# Allegro board BeagleBone_Black_RevC.brd (continued)
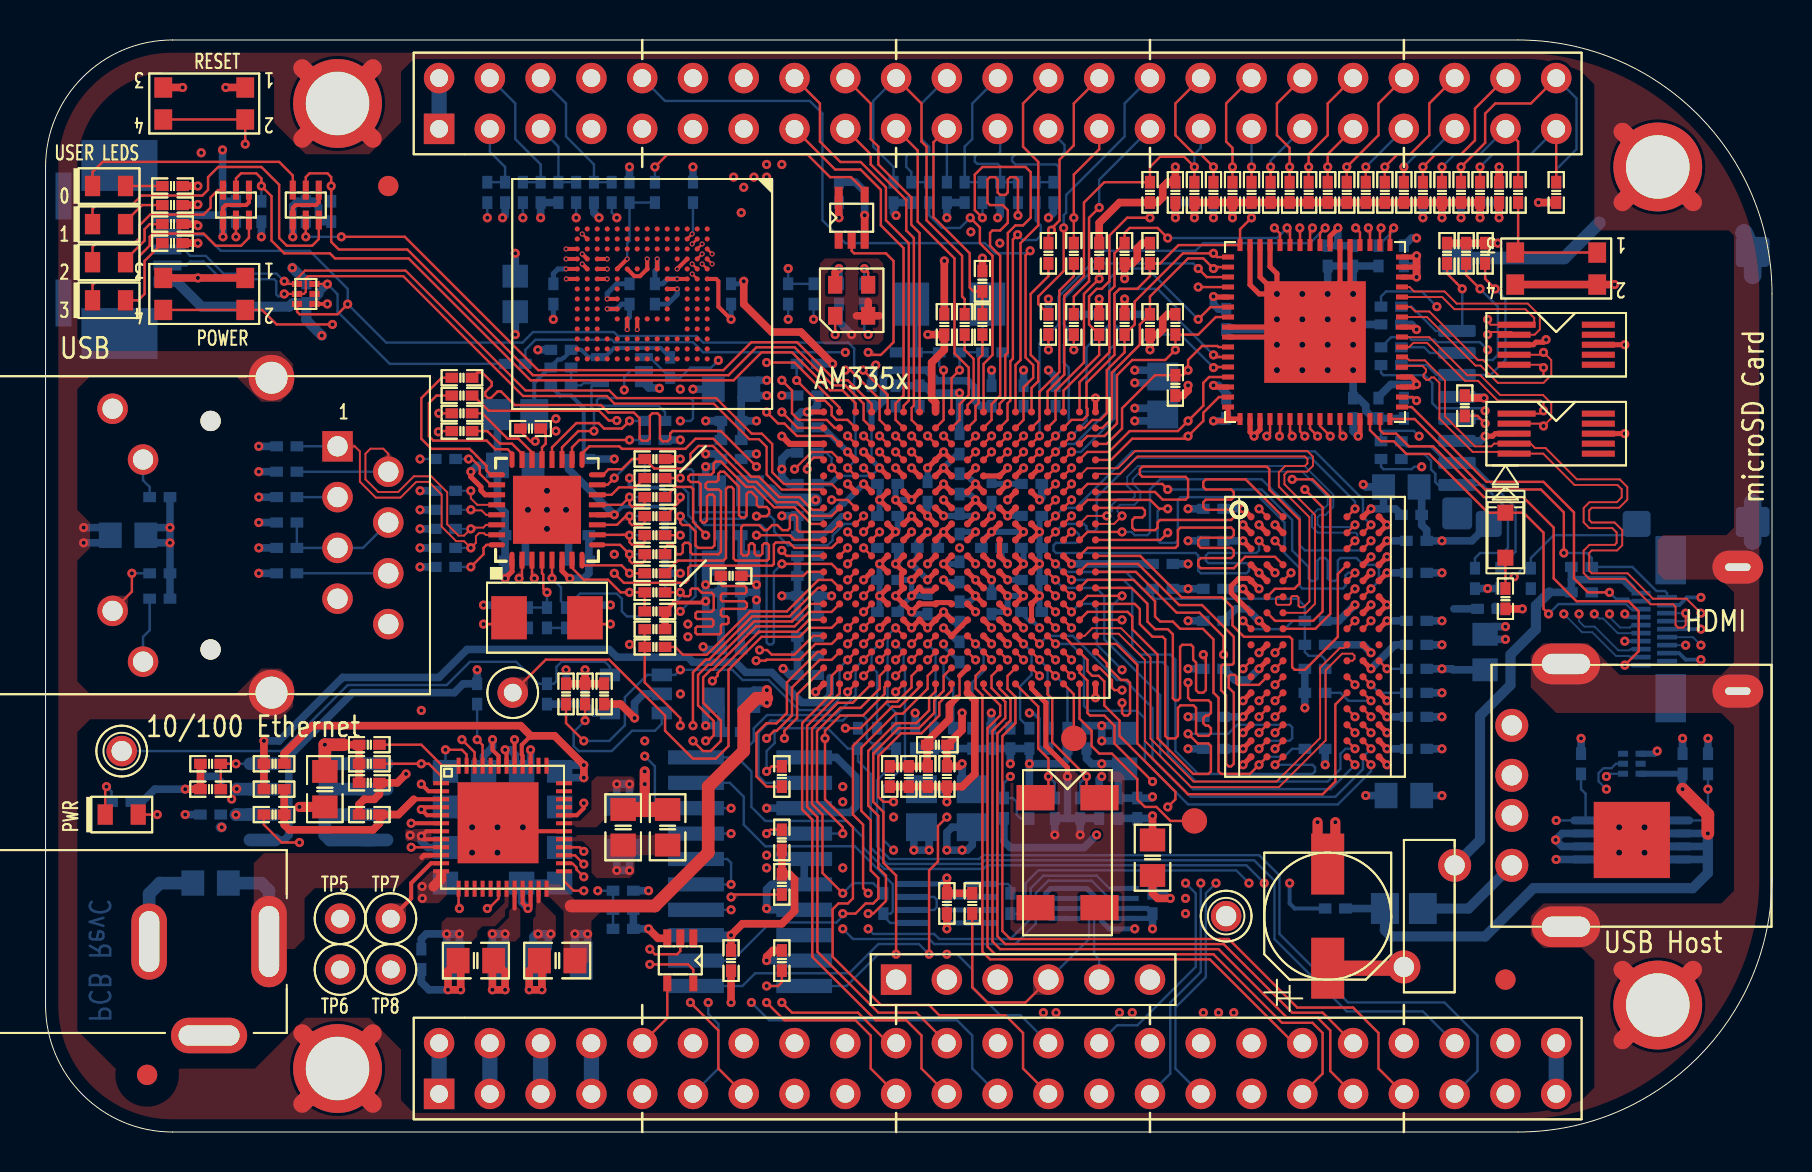
[diagram p0: board, top side]
## Routing (per net, layer and track width the routed paths; a pad name or vN(x,y) marks a point on that pad's centre or on a via; arc(x,y) is an arc through that point) (continued)
DDR_DQM1: length 20.2
  TOP w0.121: U12.D3 61.5,28.76 60.01,28.76 59.44,28.19 57.78,28.19 57.66,28.32 57.66,28.57 57.78,28.7 59.31,28.7 59.44,28.83 59.44,29.08 59.31,29.21 57.78,29.21 57.66,29.34 57.66,29.59 57.78,29.72 59.31,29.72 59.44,29.84 59.44,30.1 59.31,30.23 56.77,30.23 56.64,30.1 56.64,29.34 56.52,29.21 52.12,29.21 U5.J2
DDR_DQS0: length 23.3
  TOP w0.095: U12.F3 61.62,26.77 61.54,26.69 61.54,26.44 61.62,26.37 62.22,26.37 62.29,26.44 62.29,26.73 62.37,26.8 62.6,26.8 62.67,26.73 62.67,26.32 62.75,26.24 62.93,26.24 63.22,26.53 63.22,30.75 61.69,32.28 61.69,32.99 62.01,33.31 62.99,33.31 63.12,33.43 63.12,33.66 62.99,33.78 54.62,33.78 53.76,32.91 52.62,32.91 U5.P1
DDR_DQS1: length 20.3
  TOP w0.095: U5.L1 53.45,30.41 v1(53.85,30.81)
  TOP w0.121: v1(65.5,29.57) U12.C7
  BOTTOM w0.095: v1(65.5,29.57) 65.54,29.57 65.61,29.64 65.61,29.9 65.54,29.97 63.64,29.97 63.35,30.26 63.35,30.85 63.64,31.14 63.91,31.14 64.14,31.37 64.14,31.75 62.86,33.03 54.76,33.03 54.38,32.65 54.38,32.42 54.76,32.04 54.76,31.66 54.47,31.37 53.75,31.37 53.62,31.24 53.62,31.04 v1(53.85,30.81)
DDR_DQSN0: length 23.3
  TOP w0.095: U12.G3 63.05,25.97 63.5,26.42 63.5,30.86 61.97,32.39 61.97,32.87 62.12,33.03 63.11,33.03 63.4,33.32 63.4,33.77 63.11,34.06 54.51,34.06 53.64,33.19 52.1,33.19 U5.P2
DDR_DQSN1: length 20.3
  TOP w0.095: v1(53.09,30.81) 52.12,30.81 U5.L2
  TOP w0.121: v1(65.5,30.37) U12.B7
  BOTTOM w0.095: v1(53.09,30.81) 53.34,31.06 53.34,31.36 53.63,31.65 54.36,31.65 54.48,31.78 54.48,31.93 54.1,32.31 54.1,32.77 54.64,33.31 62.97,33.31 64.41,31.87 64.41,31.25 64.02,30.86 63.75,30.86 63.63,30.73 63.63,30.38 63.75,30.25 65.39,30.25 v1(65.5,30.37)
DDR_ODT: length 24.1
  TOP w0.121: v1(57.91,23.88) 58.04,23.75 58.04,22.1 57.91,21.97 57.68,21.97 57.55,22.1 57.55,23.48 57.4,23.62 57.4,24.26 57.3,24.37 56.86,24.37 56.75,24.26 56.75,21.7 56.64,21.59 56.49,21.59 56.39,21.7 56.39,24.89 56.13,25.15 55.5,25.15 55.12,25.53 55.12,26.42 54.32,27.21 53.68,27.21 U5.G1 ; v1(59.9,23.16) U12.K1
  LYR3 w0.133: v1(59.9,23.16) 59.23,23.16 58.93,22.86 58.04,22.86 57.91,22.99 57.91,23.24 58.04,23.37 58.29,23.37 58.42,23.5 58.42,24.89 58.17,25.15 57.78,25.15 57.66,25.02 57.66,24.64 57.91,24.38 v1(57.91,23.88)
DDR_RASN: length 24
  TOP w0.121: v1(61.5,23.96) U12.J3 ; U5.G4 v1(50.52,26.81)
  LYR3 w0.121: v1(50.52,26.81) 50.12,26.41 50.12,25.83 50.34,25.61 50.72,25.61 50.92,25.41 50.92,25.02 51.17,24.77 51.33,24.77
  LYR3 w0.133: v1(61.5,23.96) 62.12,23.96 62.51,23.58 62.69,23.58 62.84,23.72 62.84,23.9 62.1,24.64 61.59,24.64 61.35,24.4 59.42,24.4 57.77,26.05 56.5,26.05 54.99,27.56 53.47,27.56 53.34,27.43 53.34,26.53 53.47,26.4 54.24,26.4 54.74,25.91 54.74,25.27 54.23,24.77 51.33,24.77
DDR_RESETN: length 20.7
  TOP w0.121: U12.T2 v1(60.7,18.36) 60.24,17.91 58.8,17.91 58.67,18.03 58.67,21.72 58.42,21.97 58.42,24.64 57.89,25.16 56.75,25.16 56.39,25.53 55.75,25.53 55.5,25.78 55.5,26.54 54.43,27.61 52.12,27.61 U5.G2
  BOTTOM w0.121: R97.2 62.36,19.16 61.96,18.76 U12.T2 v1(60.7,18.36)
DDR_VREF: length 26.3
  TOP w0.121: v1(50.52,28.41) U5.J4 ; v1(66.3,21.56) U12.M8 ; v1(59.9,25.57) U12.H1
  BOTTOM w0.121: R98.2 C123.1 62.99,24 63.18,23.81 63.82,23.81 64.01,23.62 R100.1 C124.1 64.77,21.96 65.17,21.56 v1(66.3,21.56) ; R98.2 62.4,25.57 61.98,25.15 60.32,25.15 v1(59.9,25.57) ; R98.2 62.99,26.29 62.61,26.67 55.5,26.67 55.37,26.8 C28.1 54.88,27.17 54.03,28.01 50.92,28.01 v1(50.52,28.41)
DDR_VTP: length 4.6
  TOP w0.254: v1(51.32,28.41) U5.J3
  BOTTOM w0.381: v1(51.32,28.41) R22.2
DDR_WEN: length 23.9
  TOP w0.121: U5.B2 51.72,22.97 52.12,22.57 52.12,20.95 52.24,20.83 52.96,20.83 53.47,20.32 53.47,19.43 v1(55.37,17.53) ; v1(61.5,22.36) U12.L3
  LYR3 w0.133: v1(55.37,17.53) 55.38,17.52 55.63,17.52 56.77,16.38 62.23,16.38 63.12,17.27 63.12,20.57 63.5,20.95 63.5,21.72 62.48,22.73 61.87,22.73 v1(61.5,22.36)
DVI_+5V: length 21.8
  BOTTOM w0.203: 79.37,27.17 79.59,26.95 P6.19 79.89,26.95
  BOTTOM w0.381: 79.37,27.17 78.92,27.62 76.33,27.62 ; 76.33,27.62 R147.1 ; 76.33,27.62 R146.1 75.21,26.99
  BOTTOM w0.508: 75.21,26.99 74.55,26.32 74.55,25.15 73.28,23.88 73.28,22.35 71.75,20.83 71.75,14.61 RT1.2
EHRPWM1A: length 41.9
  TOP w0.121: v1(40.01,38.1) 40.26,38.1 41.72,36.64 41.72,35.61 U5.U14
  LYR4 w0.133: P9.14 33.55,5.82 33.55,16.28 34.54,17.27 34.54,22.56 34.8,22.81 34.8,34.16 36.23,35.6 37.12,35.6 37.34,35.81 37.34,36.45 38.73,37.85 39.75,37.85 v1(40.01,38.1)
EHRPWM1B: length 37.1
  TOP w0.121: v1(41.72,34.81) U5.T14
  LYR4 w0.133: v1(41.72,34.81) 41.22,35.31 39.75,35.31 38,33.55 36.6,33.55 36.32,33.27 36.32,24.51 36.49,24.35 36.49,19.34 35.56,18.41 35.56,10.79 37.47,8.89 P9.16
EHRPWM2A: length 16.8
  TOP w0.121: U5.U10 45.72,35.61 45.72,36.39 46.18,36.85 46.18,38.23 45.47,38.94 45.47,43.69 43.62,45.53 43.62,49.09 P8.19
EHRPWM2B: length 23.9
  TOP w0.121: v1(44.92,34.81) U5.T10
  LYR3 w0.133: P8.13 33.66,48.9 33.66,45.85 34.67,44.83 38.23,44.83 39.12,43.94 39.12,43.05 40.13,42.04 41.27,42.04 42.8,40.51 42.8,39.5 43.43,38.86 43.43,36.58 44.92,35.09 v1(44.92,34.81)
EMMC_RSTN: length 4.8
  TOP w0.203: U13.K5 v2(29.09,43.66)
  BOTTOM w0.121: v2(29.09,43.66) 29.09,44.45 29.21,44.57 R111.2 R162.2
EMMC_VCCI: length 1.9
  TOP w0.121: U13.C2 v2(32.35,44.91)
  BOTTOM w0.121: C125.1 32.38,44.95 v2(32.35,44.91)
ENZ_KALDO_1P8V: length 3.4
  TOP w0.121: U5.B4 v1(50.52,22.81)
  BOTTOM w0.121: v1(50.52,22.81) 51.12,22.21 R54.2
ETH_RESETN: length 7.4
  TOP w0.121: U14.19 25.83,34.24 26.65,35.05 v1(27.43,35.05)
  BOTTOM w0.121: 27.48,37.45 27.3,37.28 27.3,36.22 27.43,36.1 v1(27.43,35.05) ; 27.48,37.45 U1.4 ; 27.48,37.45 26.91,37.45 26.79,37.34 C174.1 R33.2
ETH_RST_GPIO1_8: length 27.7
  TOP w0.121: v1(33.35,22.56) 33.62,22.82 33.62,22.95 35.69,25.02 37.59,25.02 38.18,25.61 U5.E18
  LYR4 w0.133: v1(33.66,38.59) 33.78,38.46 33.78,23.5 33.35,23.07 v1(33.35,22.56)
  BOTTOM w0.121: U1.1 30.21,38.75 31.24,37.72 31.75,37.72 32.26,38.23 33.29,38.23 v1(33.66,38.59)
ETH_TXD4: length 4.4
  TOP w0.121: v1(29.21,34.61) 26.7,34.61 26.33,34.24 U14.18
  BOTTOM w0.121: R145.1 v1(29.21,34.61)
GPIO0_7: length 48
  TOP w0.121: R50.1 36.32,18.29 v1(36.07,18.03)
  BOTTOM w0.121: P9.42 68.9,6.03 65.09,6.03 61.47,9.65 61.47,12.57 60.45,13.59 46.99,13.59 46.81,13.4 42.09,13.4 41.27,14.22 41.27,17.91 40.64,18.54 R51.1 40.13,19.18 39.12,20.19 36.7,20.19 36.47,19.96 36.47,19.45 36.07,19.05 v1(36.07,18.03)
GPIO0_7SRC: length 9.6
  TOP w0.121: U5.C18 38.62,24.01 37.08,22.48 37.08,20.95 36.57,20.44 36.06,20.44 35.56,19.94 35.56,17.78 36.07,17.27 R50.2
GPIO0_26: length 26.3
  TOP w0.121: v1(44.12,34.81) U5.T11
  LYR3 w0.133: P8.14 33.66,51.44 33.66,49.53 33.27,49.15 33.27,45.72 34.54,44.45 37.97,44.45 38.61,43.81 38.61,43.05 40.01,41.66 41.15,41.66 42.42,40.39 42.42,39.37 43.05,38.73 43.05,36.45 44.12,35.38 v1(44.12,34.81)
GPIO0_27: length 16.6
  TOP w0.121: P8.17 41.27,48.9 41.27,48.39 43.05,46.61 43.05,45.09 43.43,44.7 43.43,36.32 43.32,36.21 43.32,35.61 U5.U12
GPIO1_12: length 26.5
  TOP w0.121: v1(43.32,34.81) U5.T12
  LYR3 w0.133: v1(43.32,34.81) 43.32,35.17 42.29,36.2 42.29,38.35 41.66,38.99 41.66,40.13 40.89,40.89 39.75,40.89 37.85,42.8 37.85,43.31 37.47,43.69 34.16,43.69 31.24,46.61 31.24,51.56 P8.12
GPIO1_13: length 24.7
  TOP w0.121: v1(43.32,34.01) U5.R12
  LYR3 w0.121: 43.72,35.27 43.72,34.41 v1(43.32,34.01)
  LYR3 w0.133: 43.72,35.27 42.67,36.32 42.67,38.61 42.07,39.21 42.07,40.23 41.02,41.27 39.88,41.27 38.23,42.93 38.23,43.56 37.72,44.07 34.42,44.07 31.71,46.78 31.71,49.49 P8.11
GPIO1_14: length 19.8
  TOP w0.121: U5.V13 42.92,36.32 43.18,36.58 43.18,44.45 42.04,45.59 42.04,47.24 40.77,48.51 39.76,48.51 38.73,49.53 38.73,51.44 P8.16
GPIO1_15: length 18.3
  TOP w0.121: P8.15 39.5,48.13 40.77,48.13 41.78,47.12 41.78,45.34 42.92,44.2 42.92,36.83 42.52,36.43 42.52,35.61 U5.U13
GPIO1_16: length 52.9
  LYR4 w0.133: P9.15 36.32,3.05 32.26,3.05 31.24,4.06 31.24,6.86 31.75,7.37 31.75,19.18 31.24,19.68 31.24,22.22 31.63,22.61 32.12,22.61 33.3,23.78 33.3,24.74 32.89,25.15 32.89,25.86 32.51,26.24 32.51,36.24 33.15,36.88 33.15,37.59 32.91,37.83 32.91,40.02 34.42,41.53 35.5,41.53 v1(37.15,43.18)
  BOTTOM w0.121: v1(37.15,43.18) R161.2 R160.2
GPIO1_17: length 53.5
  TOP w0.121: v1(40.89,38.1) 42.12,36.87 U5.V14
  LYR4 w0.133: v1(40.89,38.1) 40.39,37.59 38.99,37.59 37.59,36.2 37.59,35.69 37.27,35.36 36.38,35.36 35.05,34.04 35.05,22.73 34.8,22.48 34.8,7.41 34.92,7.29 34.92,6.86 v1(35.31,6.48)
  BOTTOM w0.121: v1(35.31,6.48) 36.2,5.59 45.59,5.59 46.35,4.83 46.35,3.17 P9.23
GPIO1_28: length 37.4
  TOP w0.121: v1(36.83,36) 37.62,35.21 U5.U18
  LYR4 w0.133: v1(36.83,36) 36.42,36.41 35.14,36.41 34.29,35.56 34.29,23.11 34.04,22.86 34.04,17.78 32.66,16.41 32.66,5.87 32.38,5.59 P9.12
GPIO1_29: length 18
  TOP w0.121: U5.V6 48.52,38.36 48.77,38.61 48.77,44.45 49.66,45.34 49.66,48.51 48.9,49.28 48.9,51.44 P8.26
GPIO2_1: length 18.2
  TOP w0.121: U5.V12 43.72,44.96 43.31,45.37 43.31,46.74 41.66,48.39 41.66,49.28 41.27,49.66 41.27,51.44 P8.18
GPIO3_18: length 5.9
  TOP w0.121: U5.B12 43.32,22.81 43.32,22.23 42.6,21.52 42.09,21.52 40.77,20.19 v1(40.01,20.19)
  BOTTOM w0.121: v1(40.01,20.19) R51.2
GPIO3_19: length 28.5
  TOP w0.121: v1(42.52,23.61) U5.C13
  LYR4 w0.133: v1(42.52,23.61) 41.85,22.94 41.85,21.52 43.31,20.07 43.31,14.99 42.93,14.61 42.93,13.84 48.77,8 48.77,3.81 49.53,3.05 51.56,3.05 P9.27
GPIO3_20: length 5.9
  TOP w0.121: U5.D13 v1(42.52,25.21)
  BOTTOM w0.121: R20.2 42.55,20.95 42.12,21.38 42.12,24.81 v1(42.52,25.21)
GPIO3_21: length 68.2
  TOP w0.121: P9.25 48.9,3.17 48.9,4.95 48.01,5.84 44.7,5.84 44.2,6.35 41.78,6.35 39.37,8.76 39.37,11.14 39.66,11.43 40.13,11.43 40.39,11.68 40.39,15.24 38.99,16.64 v1(38.99,19.68) 38.99,20.07 39.75,20.83 40.89,20.83 41.97,21.9 41.97,22.26 U5.A14
  LYR3 w0.133: v1(38.99,19.68) 38.28,20.4 35.1,20.4 33.59,21.91 v1(31.76,21.91)
  LYR4 w0.133: v1(41.15,39.88) 40.64,40.39 39.12,40.39 38.23,39.5 33.4,39.5 33.15,39.24 33.15,38.1 33.53,37.71 33.53,23.68 v1(31.76,21.91)
  BOTTOM w0.121: R167.2 40.96,40.07 v1(41.15,39.88)
GRN_C: length 2
  BOTTOM w0.121: P5.10 4.88,32.59 5.21,32.26 R132.2
GRNA: length 32.3
  TOP w0.121: U14.3 24.33,27.8 v1(24.45,27.69)
  LYR3 w0.133: v1(24.45,27.69) 23.56,28.57 22.48,28.57 21.59,27.69 20.95,27.69 17.65,24.38 14.73,24.38 12.19,26.92 7.11,26.92 3.35,30.68 P5.9
HDMI_1V8: length 22.4
  TOP w0.254: v1(68.58,40.13) 68.46,40.25 U11.41 ; U11.48 68.52,43.76 v1(68.58,43.81) ; U11.46 v1(68.58,42.76) ; U11.47 68.58,43.25 ; v1(65.66,34.8) 65.75,34.89 U11.29 ; U11.35 68.45,37.25 v1(68.58,37.38) 68.58,37.5 68.33,37.76 U11.36 ; U11.5 58.45,41.76 v1(58.42,41.78) ; U11.55 64.25,44.79 64.64,45.19 v1(64.64,45.21) ; v1(58.42,37.34) 58.5,37.25 U11.14
  TOP w0.381: v1(68.58,42.76) v1(68.58,43.81)
  BOTTOM w0.381: v1(68.58,37.38) 67.29,37.38 66.67,36.77 C151.1 ; C148.1 64.64,44.32 ; 64.64,44.32 C146.1 ; 64.64,44.32 v1(64.64,45.21) ; 68.58,43.31 v1(68.58,43.81) ; 68.58,43.31 v1(68.58,42.76) ; 68.58,43.31 67.94,43.31 ; C145.1 59.05,36.96 58.67,37.34 v1(58.42,37.34) ; C147.1 65.41,35.05 v1(65.66,34.8) ; v1(68.58,40.13) 68.33,40.39 C150.1 ; v1(54.48,37.47) 55.57,37.47 FB5.1 55.56,38.1 v1(54.48,38.1) ; C144.1 58.67,41.15 58.42,41.4 v1(58.42,41.78)
HDMI_CEC: length 20.5
  TOP w0.121: U11.30 66.25,35.1 66.8,34.54 67.44,34.54 68.07,33.91 69.22,33.91 72.15,30.97 D8.1 73.93,30.97 74.93,29.97 74.93,26.16 v1(75.18,25.91)
  BOTTOM w0.121: v1(75.18,25.91) 75.68,26.4 79.07,26.4 79.32,26.15 P6.15 79.89,26.15
HDMI_CEC_D: length 1.5
  TOP w0.121: R166.1 D8.2
HDMI_DSCL: length 18.9
  TOP w0.121: v1(78.23,26.99) 77.15,26.99 76.45,27.69 76.45,30.99 74.93,32.51 72.08,32.51 68.34,36.25 U11.33
  BOTTOM w0.121: 79.89,26.55 P6.17 79.27,26.55 79.15,26.67 78.55,26.67 v1(78.23,26.99) 77.34,26.99
HDMI_DSDA: length 19.1
  TOP w0.121: v1(75.95,28.96) 75.95,30.99 74.8,32.13 72.01,32.13 68.49,35.65 U11.32
  BOTTOM w0.121: v1(75.95,28.96) 77.09,28.96 77.34,28.7 77.34,28.26 79.38,28.26 80.59,27.05 81.01,27.05 81.11,26.95 P6.18
HDMI_HPD: length 22.6
  TOP w0.121: U11.31 66.75,35.1 66.93,34.92 67.56,34.92 68.2,34.29 69.41,34.29 71.95,31.75 73.91,31.75 75.44,30.23 75.44,27.69 76.58,26.54 79.18,26.54 79.69,26.04 79.69,24.04 v1(78.99,23.35)
  BOTTOM w0.121: v1(78.99,23.35) P6.1 79.89,23.35
HDMI_INT: length 40.4
  TOP w0.121: v1(37.57,37.58) 38.58,36.58 38.99,36.58 39.32,36.24 39.32,35.85 39.56,35.61 40.12,35.61 U5.U16 ; U11.50 66.75,45.16 v1(66.8,45.21)
  LYR4 w0.133: v1(37.57,37.58) 39.46,39.47 42.01,39.47 47.62,45.09 47.88,45.09 48.13,45.34 48.13,46.1 49.26,47.22 64.79,47.22 v1(66.8,45.21)
  BOTTOM w0.121: R158.2 37.57,38.4 v1(37.57,37.58)
HDMI_SWING: length 1.5
  TOP w0.121: v1(68.58,36.58) 68.4,36.76 U11.34
  BOTTOM w0.121: v1(68.58,36.58) 68.45,36.7 R148.1
HDMI_TX0+: length 32
  TOP w0.095: D6.2 74.81,35.43 v1(74.93,35.31) 75.32,35.69 75.32,36.44 74.9,36.86 72.76,36.86 71.77,37.85 71.12,37.85 69.22,39.74 67.86,39.74 U11.40
  LYR4 w0.102: v1(74.93,35.31) 75.14,35.31 78.61,31.83 78.61,31.67 78.49,31.55 77.34,31.55 77.04,31.24 77.04,30.79 77.34,30.48 78.49,30.48 78.61,30.35 78.61,30.15 78.49,30.02 77.34,30.02 77.04,29.72 77.04,29.26 77.34,28.96 78.49,28.96 78.61,28.83 78.61,28.63 78.49,28.5 77.72,28.5 77.09,27.86 77.09,26.62 77.47,26.24 v1(77.47,25.91)
  BOTTOM w0.095: v1(77.47,25.91) 77.7,25.68 77.91,25.68 78.65,24.95 P6.9 79.89,24.95
HDMI_TX0-: length 32.1
  TOP w0.095: U11.39 68.21,39.25 68.42,39.47 69.11,39.47 71,37.57 71.65,37.57 72.64,36.58 74.79,36.58 74.93,36.43 v1(74.93,36.07) 74.79,35.92 D6.1
  LYR4 w0.102: v1(78.23,25.91) 77.39,26.75 77.39,27.74 77.85,28.19 78.61,28.19 78.92,28.5 78.92,28.96 78.61,29.26 77.47,29.26 77.34,29.39 77.34,29.59 77.47,29.72 78.61,29.72 78.92,30.02 78.92,30.48 78.61,30.78 77.47,30.78 77.34,30.91 77.34,31.11 77.47,31.24 78.62,31.24 78.92,31.54 78.92,31.96 75.32,35.56 75.32,36.54 75.21,36.65 75.04,36.65 74.93,36.54 v1(74.93,36.07)
  BOTTOM w0.095: v1(78.23,25.91) 78.22,25.9 78.22,25.76 78.76,25.23 79.25,25.23 79.38,25.35 P6.11 79.89,25.35
HDMI_TX1+: length 32.1
  TOP w0.095: D7.5 74.79,38.37 v1(74.93,38.23) 74.93,37.86 74.81,37.74 72.76,37.74 71.9,38.61 71.64,38.61 69.22,41.03 68.52,41.03 68.3,41.25 U11.43
  LYR4 w0.102: v1(74.93,38.23) 74.93,37.19 75.03,37.08 75.21,37.08 75.31,37.19 75.31,38.56 75.44,38.68 75.74,38.68 76.71,37.72 76.71,35.38 79.71,32.39 79.71,27.23 82.32,24.61 82.32,24.45 82.22,24.35 v1(82.04,24.35)
  BOTTOM w0.095: P6.6 v1(82.04,24.35)
HDMI_TX1-: length 32.1
  TOP w0.095: U11.42 69.1,40.76 71.53,38.33 71.78,38.33 72.64,37.47 74.93,37.47 75.32,37.85 75.32,38.6 v1(74.93,38.99) 74.81,38.87 D7.4
  LYR4 w0.102: v1(82.8,24.35) 82.8,24.56 80.01,27.36 80.01,32.51 77.01,35.51 77.01,37.85 75.87,38.99 v1(74.93,38.99)
  BOTTOM w0.095: v1(82.8,24.35) 82.4,24.75 P6.8
HDMI_TX2+: length 32.1
  TOP w0.095: v1(72.14,39.88) 72.26,40.01 73.32,40.01 D7.2 74.48,39.87 74.75,40.13 74.75,40.82 74.14,41.43 70.59,41.43 69.98,42.03 68.45,42.03 68.23,42.25 U11.45
  LYR4 w0.102: v1(72.14,39.88) 72.34,40.08 72.52,40.08 74.04,38.56 74.04,28.91 76.15,26.8 76.15,26.11 v1(75.95,25.91)
  BOTTOM w0.095: 79.89,23.75 P6.3 79.28,23.75 79.22,23.81 78.56,23.81 77.37,24.99 76.86,24.99 v1(75.95,25.91)
HDMI_TX2-: length 32.1
  TOP w0.095: v1(72.14,40.64) 72.14,40.51 72.28,40.37 D7.1 74.4,40.37 74.47,40.44 74.47,40.71 74.03,41.15 70.47,41.15 69.86,41.76 U11.44
  LYR4 w0.102: v1(72.14,40.64) 72.39,40.39 72.64,40.39 74.35,38.68 74.35,29.03 74.57,28.81 74.71,28.81 74.83,28.92 74.97,28.92 75.11,28.77 75.11,28.63 75,28.52 75,28.38 75.15,28.23 75.29,28.23 75.4,28.34 75.54,28.34 75.69,28.2 75.69,28.05 75.58,27.94 75.58,27.8 75.72,27.66 75.86,27.66 75.9,27.69 76.07,27.69 76.2,27.56 76.2,27.42 76.15,27.37 76.15,27.23 76.45,26.92 76.45,26.16 v1(76.71,25.91)
  BOTTOM w0.095: 79.89,24.15 P6.5 79.28,24.15 79.22,24.09 78.67,24.09 77.48,25.27 76.98,25.27 76.71,25.54 v1(76.71,25.91)
HDMI_TXC+: length 32
  TOP w0.095: v1(82.8,25.95) 82.08,26.67 80.41,26.67 79.14,27.94 77.34,27.94 77.22,28.07 77.22,28.96 77.34,29.08 78.61,29.08 78.87,29.34 78.87,30.1 78.49,30.48 77.34,30.48 77.22,30.61 77.22,31.09 77.34,31.22 78.71,31.22 79.12,31.62 79.12,32.26 78.74,32.64 76.6,32.64 75.03,34.2 74.51,34.2 74.29,34.42 D6.4 72.46,34.42 72.32,34.29 71.5,34.29 70,35.79 70,37.58 68.99,38.59 68.22,38.59 68.05,38.76 U11.38
  BOTTOM w0.095: v1(82.8,25.95) 82.4,25.55 P6.12
HDMI_TXC-: length 32
  TOP w0.095: v1(82.04,25.95) 82.04,25.35 81.92,25.22 81.66,25.22 81.53,25.35 81.53,26.26 81.41,26.39 80.29,26.39 79.02,27.66 77.23,27.66 76.94,27.95 76.94,29.07 77.23,29.36 78.49,29.36 78.59,29.46 78.59,29.98 78.37,30.2 77.23,30.2 76.94,30.49 76.94,31.21 77.23,31.5 78.6,31.5 78.84,31.74 78.84,32.14 78.62,32.36 76.48,32.36 74.91,33.93 D6.5 73.37,34.01 71.39,34.01 69.72,35.67 69.72,37.47 69.45,37.73 69.32,37.73 69.2,37.62 69.06,37.62 68.93,37.75 68.93,37.88 69.05,38 69.05,38.14 68.88,38.31 67.9,38.31 U11.37
  BOTTOM w0.095: P6.14 v1(82.04,25.95)
HDMICLK_DISN: length 9.7
  TOP w0.121: U5.V17 39.72,36.23 37.47,38.48 v1(36.07,38.48) ; Y4.1 v1(39.5,39.88)
  LYR4 w0.133: v1(36.07,38.48) 36.7,39.12 38.35,39.12 39.11,39.88 v1(39.5,39.88)
I2C0_SCL: length 85.2
  TOP w0.121: v1(65.53,45.21) 65.75,44.99 U11.52 ; v1(40.12,23.61) U5.C16 ; U2.28 26.72,14.24 v1(26.92,14.03) ; R3.2 26.04,20.45 v1(26.92,19.56)
  LYR3 w0.133: v1(47.73,44.45) 47.17,45.01 v1(46.28,45.01)
  LYR4 w0.133: v1(47.73,44.45) 48.9,44.45 49.4,44.96 49.4,46.48 49.91,46.99 64.26,46.99 65.53,45.72 v1(65.53,45.21) ; v1(26.92,19.56) 27.56,18.92 27.56,14.67 v1(26.92,14.03) ; v1(31.75,23.11) 32.38,23.75 32.38,24.38 32.61,24.61 32.61,25.81 32.26,26.16 32.26,36.32 32.89,36.96 32.89,37.47 32.68,37.68 32.68,40.3 34.29,41.91 35.18,41.91 37.34,44.07 45.34,44.07 v1(46.28,45.01)
  BOTTOM w0.121: v1(40.12,23.61) 39.72,23.21 39.72,21.69 39.14,21.1 37.67,21.1 36.17,22.61 34.87,22.61 34.36,23.11 v1(31.75,23.11) 31.5,22.86 U7.1 30.1,22.86 28.98,21.74 28.98,20.34 28.19,19.56 v1(26.92,19.56)
I2C0_SDA: length 87.5
  TOP w0.121: R4.2 v1(26.99,20.57) ; v1(36.07,19.68) 36.45,20.07 36.58,20.07 37.34,20.83 37.34,22.23 38.72,23.61 39.32,23.61 U5.C17 ; v1(26.92,13.4) 26.48,13.84 U2.27 ; U11.51 66.25,45.13 v1(66.17,45.21)
  LYR3 w0.133: v1(26.99,20.57) 27.62,21.21 33.27,21.21 34.8,19.68 v1(36.07,19.68)
  LYR4 w0.133: v1(66.17,45.21) 65.76,44.81 65.3,44.81 65.13,44.98 65.13,45.49 63.88,46.74 50.16,46.74 49.66,46.23 49.66,43.81 48.9,43.05 46.23,43.05 42.16,38.99 42.16,37.72 40.26,35.81 39.62,35.81 37.72,33.91 36.45,33.91 36.07,33.53 36.07,24.38 36.2,24.25 36.2,22.79 35.56,22.15 35.56,20.19 v1(36.07,19.68) ; v1(26.92,13.4) 27.81,14.29 27.81,19.75 v1(26.99,20.57)
  BOTTOM w0.121: U7.3 30.82,20.41 30.48,20.07 29.34,20.07 28.32,19.05 26.67,19.05 26.42,19.3 26.42,20 v1(26.99,20.57)
I2C1_SCL: length 22.2
  TOP w0.121: U5.A16 v1(40.12,22.01)
  LYR4 w0.133: P9.17 41.27,3.17 41.27,8.76 41.91,9.4 41.91,12.83 41.4,13.34 41.4,20.32 40.12,21.6 v1(40.12,22.01)
I2C1_SDA: length 20.6
  TOP w0.121: U5.B16 v1(40.12,22.81)
  LYR4 w0.133: P9.18 41.02,5.46 41.02,9.02 41.66,9.65 41.66,12.57 41.15,13.08 41.15,20.07 39.71,21.5 39.71,22.4 v1(40.12,22.81)
I2C2_SCL: length 31.8
  TOP w0.121: P9.19 41.27,3.17 41.27,4.83 40.51,5.59 36.96,5.59 v1(36.07,6.48) ; U5.D17 39.32,24.41 38.51,24.41 37.72,23.62 36.06,23.62 36.01,23.57 v1(35.54,23.57)
  LYR4 w0.133: v1(35.54,23.57) 35.54,22.84 35.03,22.33 35.03,7.51 v1(36.07,6.48)
I2C2_SDA: length 28.9
  TOP w0.121: U5.D18 38.4,24.81 37.47,23.88 36.32,23.88 36.09,24.1 v1(35.72,24.1) ; v1(36.83,6.48) 37.34,5.97 40.64,5.97 42.16,4.45 P9.20
  LYR4 w0.133: v1(35.72,24.1) 35.97,23.85 35.97,22.89 35.31,22.23 35.31,10.54 36.83,9.02 v1(36.83,6.48)
JTAG_EMU0: length 25.6
  TOP w0.121: v1(41.72,23.61) U5.C14 ; v1(34.29,11.75) 34.42,11.87 R23.2
  LYR3 w0.133: v1(42.42,15.75) 38.61,15.75 38.35,15.49 34.86,15.49 v1(34.29,14.92)
  LYR4 w0.133: v1(34.29,14.92) 33.88,14.52 33.88,12.15 v1(34.29,11.75) ; v1(41.72,23.61) 41.59,23.48 41.59,21.4 42.93,20.07 42.93,16.26 v1(42.42,15.75)
  BOTTOM w0.121: P2.13 v1(34.29,14.92)
JTAG_EMU1: length 15.5
  TOP w0.121: U5.B14 41.72,22.81 41.72,22.16 40.77,21.21 39.75,21.21 38.59,20.05 38.59,16.53 39.88,15.24 v1(39.88,14.92) ; v1(36.07,14.92) 36.26,15.11 R24.2
  BOTTOM w0.121: v1(36.07,14.92) P2.14 v1(39.88,14.92)
JTAG_TCK: length 24.5
  TOP w0.121: v1(41.15,11.94) 40.89,12.19 40.89,15.37 40.39,15.88 40.39,19.3 42.35,21.27 42.73,21.27 43.4,21.94 43.4,21.94 43.72,22.26 U5.A12
  LYR3 w0.133: v1(34.29,12.38) 34.73,11.94 36.32,11.94 36.83,11.43 40.64,11.43 v1(41.15,11.94)
  BOTTOM w0.121: P2.11 34.1,13.65 34.29,13.46 v1(34.29,12.38) P2.9
JTAG_TDI: length 24.1
  TOP w0.121: U5.B11 44.12,22.81 44.12,22.17 42.87,20.92 42.51,20.92 40.8,19.21 40.8,16.06 41.27,15.59 41.27,13.08 41.66,12.7 41.66,11.68 41.4,11.43 41.02,11.43 40.51,10.92 v1(39.88,10.92)
  BOTTOM w0.121: v1(39.88,10.92) 39.88,10.79 39.56,10.48 36.26,10.48 34.35,8.57 P2.3
JTAG_TDO: length 24.3
  TOP w0.121: v1(41.15,10.92) 41.4,10.92 42.04,11.56 42.04,12.83 41.66,13.21 41.66,15.81 41.15,16.32 41.15,19.05 42.54,20.44 42.54,20.45 43.56,20.45 44.2,21.08 44.2,21.72 44.52,22.04 U5.A11
  LYR3 w0.133: v1(41.15,10.92) 40.64,10.41 40.64,10.16 40.13,9.65 36.32,9.65 34.86,11.11 v1(34.29,11.11)
  BOTTOM w0.121: P2.7 v1(34.29,11.11)
JTAG_TMS: length 29.2
  TOP w0.121: U5.C11 v1(44.12,23.61) ; v1(45.09,15.75) 44.64,15.3 44.64,13.53 44.2,13.08 v1(44.2,8.89)
  LYR4 w0.133: v1(44.12,23.61) 45.09,22.64 45.09,19.68 44.58,19.18 44.58,16.26 v1(45.09,15.75)
  BOTTOM w0.121: P2.1 34.86,7.3 35.5,7.94 40.2,7.94 41.66,9.4 43.69,9.4 v1(44.2,8.89)
JTAG_TRSTN: length 25.6
  TOP w0.121: v1(36.07,7.3) 36.64,7.3 36.83,7.49 R25.1 ; U5.B10 44.92,22.81 44.92,22.06 44.45,21.59 44.45,20.95 43.69,20.19 42.67,20.19 41.4,18.92 41.4,16.51 41.91,16 41.91,13.46 42.55,12.83 v1(42.55,8.89)
  BOTTOM w0.121: v1(42.55,8.89) 41.66,8.89 40.07,7.3 P2.2 v1(36.07,7.3)
LCD_DATA0: length 40.4
  TOP w0.121: U5.R1 53.3,33.61 54.36,34.67 57.02,34.67 v1(57.15,34.8) 57.91,35.56 57.91,35.97 58.7,36.76 U11.15 ; C173.1 P8.45 ; R95.1 v1(71.75,48.26)
  LYR3 w0.133: v1(57.15,34.8) 57.91,35.56 57.91,35.81 58.29,36.2 58.67,36.2 59.94,37.47 65.79,37.47 66.42,38.1 66.42,39.62 67.94,41.15 68.45,41.15 71.25,43.94 71.25,47.12 71.75,47.62 v1(71.75,48.26)
  BOTTOM w0.121: P8.45 74.3,48.9 72.39,48.9 v1(71.75,48.26) R95.1
LCD_DATA1: length 47.3
  TOP w0.121: P8.46 74.3,51.44 72.52,51.44 72.01,50.93 72.01,49.47 v1(70.8,48.26) R94.1 ; U5.R2 51.72,33.62 52.11,34.01 53.19,34.01 54.23,35.05 56.64,35.05 v1(57.15,35.56) 57.91,36.32 57.91,37.47 58.2,37.76 U11.13
  LYR3 w0.133: v1(70.8,48.26) 70.8,47.56 70.36,47.12 70.36,43.43 68.45,41.53 67.82,41.53 66.04,39.75 66.04,38.99 65.79,38.73 59.82,38.73 59.18,38.1 59.18,37.21 58.55,36.58 58.17,36.58 v1(57.15,35.56)
  BOTTOM w0.121: v1(70.8,48.26) R94.1 ; P8.46 76.58,51.69 76.58,49.15 75.56,48.13 C171.1
LCD_DATA2: length 39.8
  TOP w0.121: U11.12 58.45,38.25 v1(58.42,38.23) ; P8.43 73.66,49.53 R75.1 ; v1(51.32,34.01) U5.R3 ; R93.1 v1(69.85,48.26)
  LYR3 w0.133: v1(69.85,48.26) 69.85,47.62 69.34,47.12 69.34,42.8 68.58,42.04 67.69,42.04 65.66,40.01 60.33,40.01 59.05,38.73 58.93,38.73 v1(58.42,38.23)
  BOTTOM w0.121: v1(58.42,38.23) 56.77,39.88 C172.1 53.47,38.1 53.47,35.69 51.79,34.01 v1(51.32,34.01) ; R93.1 v1(69.85,48.26) 70.48,48.9 71.75,48.9 P8.43